# Altium PCB DD2090_4CAM_FFC.PcbDoc (part 2 of 4) (continued)
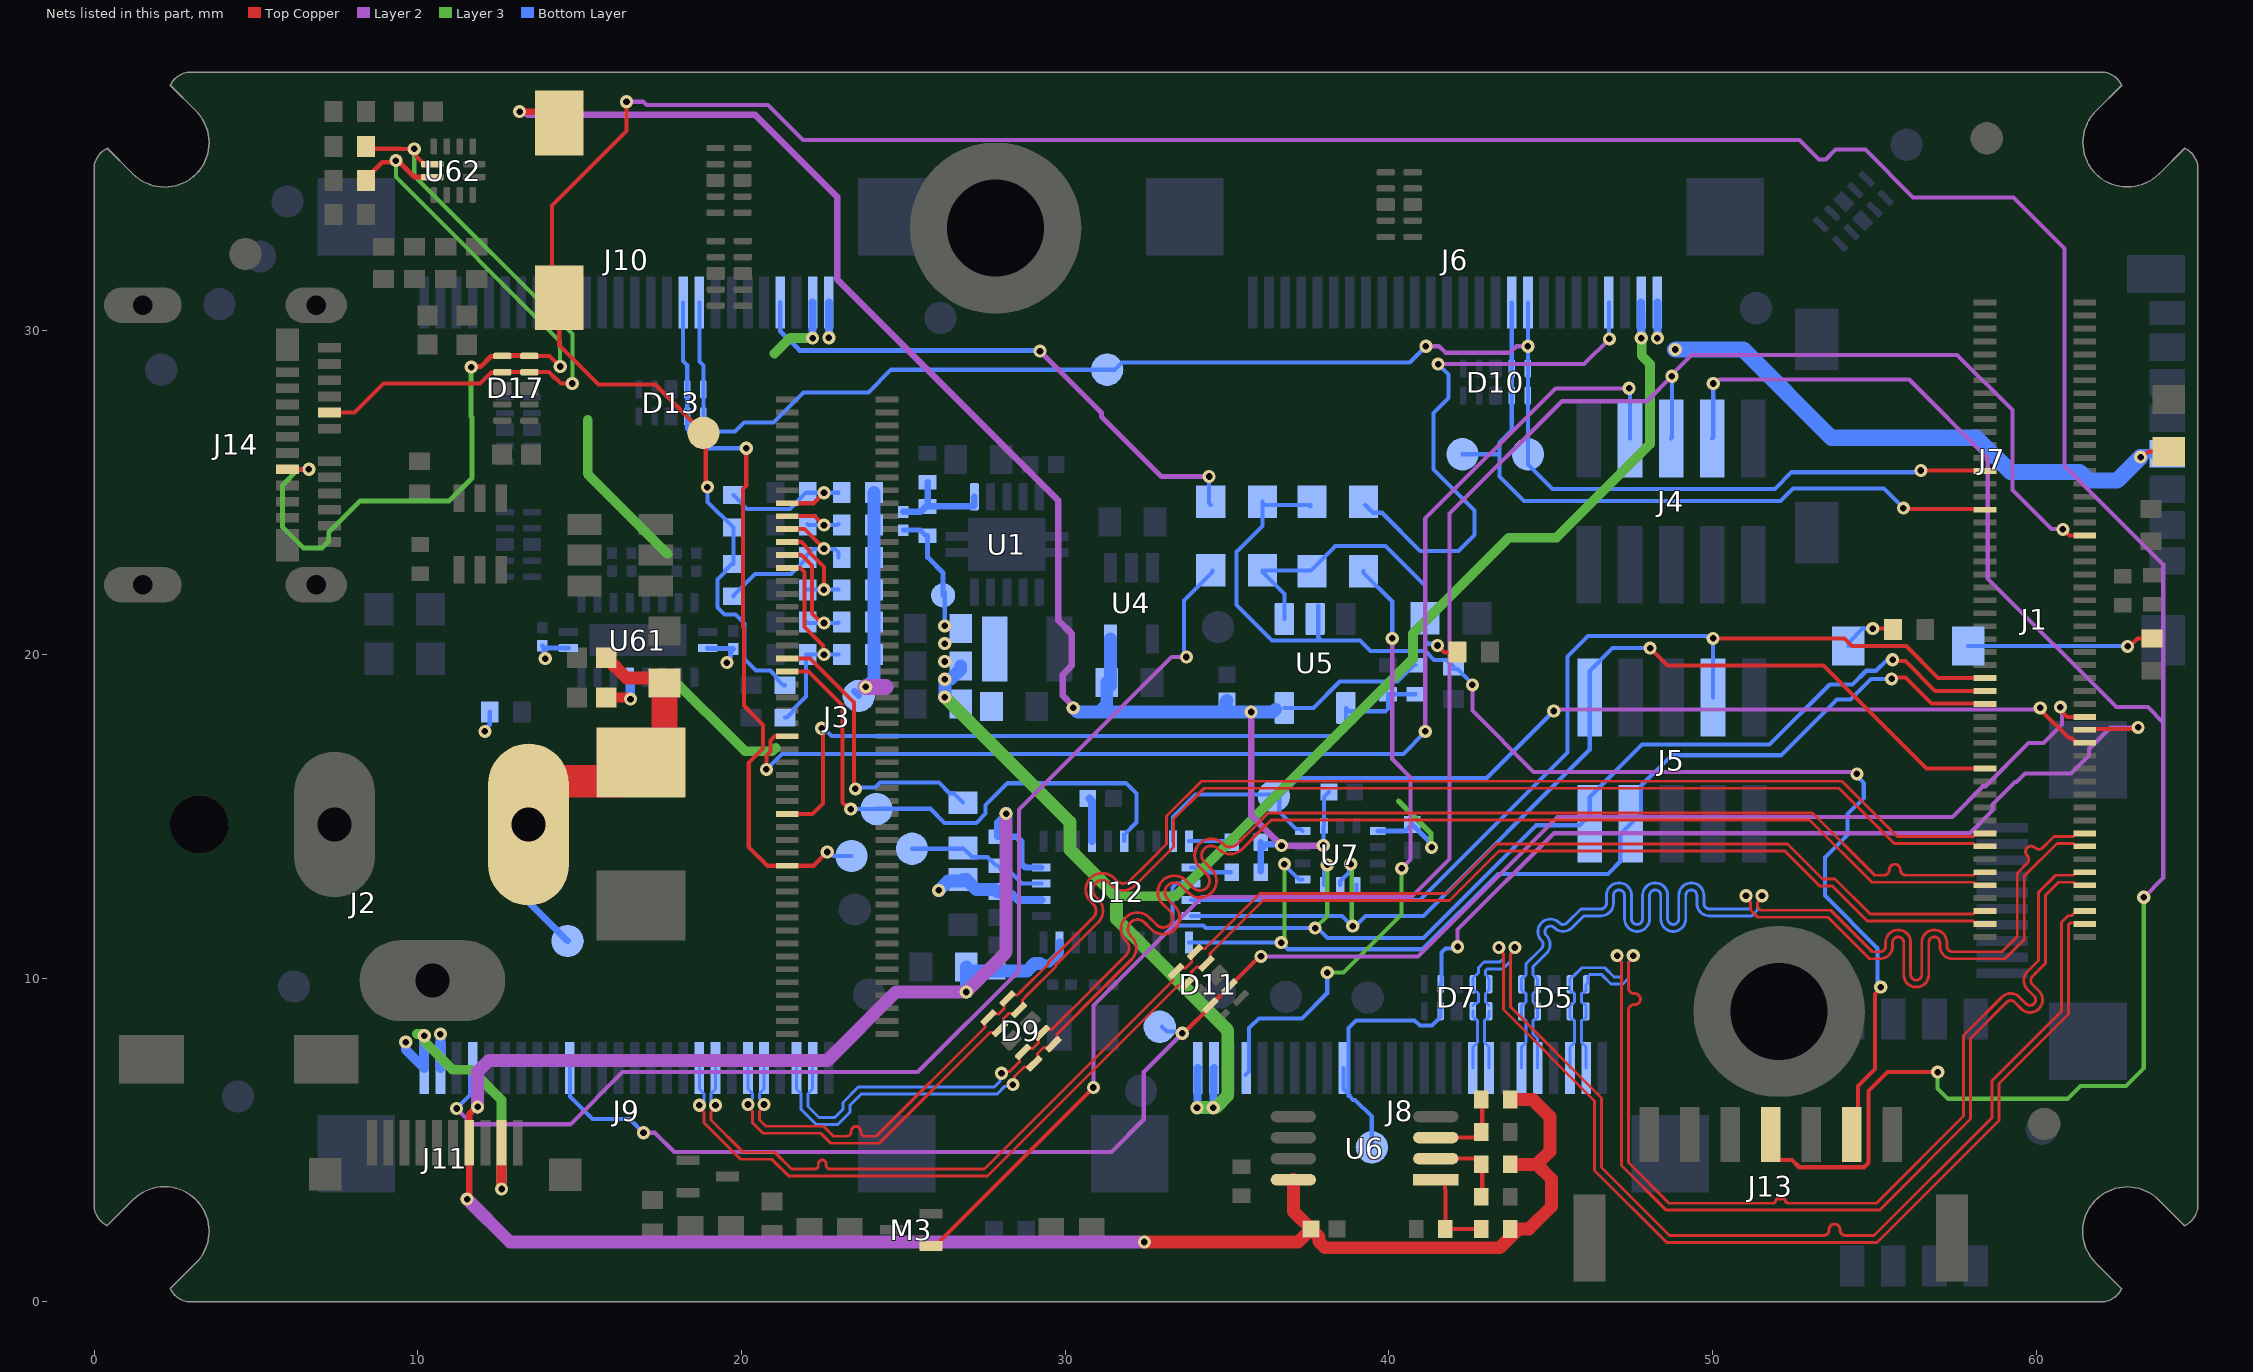
[diagram p6: the nets of this part, all layers, seen from the top]
## Part data (continued)
R30: library part RC0402FR-071KL, "RES SMD 1K OHM 1% 1/16W 0402", Case Code (Imperial)=0402, Case Code (Metric)=1005, Manufacturer 1=Yageo, Max Operating Temperature=155°C, Min Operating Temperature=-55°C, Power Rating=62.5mW, Resistance=1kR, Supplier Part Number 1=311-1.00KLRCT-ND, Temperature Coefficient=100ppm/°C, Tolerance=1%, Voltage Rating=50V, Case/Package=0402, ComponentLink1Description=https://datasheet.ciiva.com/11819/0900766b80c66297-11819477.pdf?src-supplier=RSComponents, ComponentLink1URL=https://datasheet.ciiva.com/11819/0900766b80c66297-11819477.pdf?src-supplier=RSComponents, ComponentLink2Description=https://datasheet.ciiva.com/12666/pyu-rc0402-51-rohs-l-6-r-12666741.pdf?src-supplier=Mouser, ComponentLink2URL=https://datasheet.ciiva.com/12666/pyu-rc0402-51-rohs-l-6-r-12666741.pdf?src-supplier=Mouser, ComponentLink3Description=https://datasheet.ciiva.com/17063/pyu-rc0402-51-rohs-l-6-r-17063193.pdf?src-supplier=Future+Electronics, ComponentLink3URL=https://datasheet.ciiva.com/17063/pyu-rc0402-51-rohs-l-6-r-17063193.pdf?src-supplier=Future+Electronics, ComponentLink4Description=https://datasheet.ciiva.com/22747/1018594-22747513.pdf?src-supplier=Element14, ComponentLink4URL=https://datasheet.ciiva.com/22747/1018594-22747513.pdf?src-supplier=Element14, ComponentLink5Description=https://datasheet.ciiva.com/7849/1018594-7849869.pdf?src-supplier=Element14, ComponentLink5URL=https://datasheet.ciiva.com/7849/1018594-7849869.pdf?src-supplier=Element14, ComponentLink6Description=https://datasheet.ciiva.com/7983/1018594-7983502.pdf?src-supplier=Element14, ComponentLink6URL=https://datasheet.ciiva.com/7983/1018594-7983502.pdf?src-supplier=Element14, ComponentLink7Description=https://datasheet.ciiva.com/7849/1018594-7849871.pdf?src-supplier=Element14, ComponentLink7URL=https://datasheet.ciiva.com/7849/1018594-7849871.pdf?src-supplier=Element14, Composition="Thick Film", Depth=0.5mm, Height=0.32mm, Lead Free="Lead Free", Length=1mm, Manufacturer Part Number 1=RC0402FR-071KL, Military Standard=Not, Number of Pins=2, Packaging="Tape and Reel", Pricing 1="1=0.10000, 10=0.01600, 100=0.00670, 1000=0.00301, 2500=0.00261, 5000=0.00215 (USD)", REACH SVHC=Unknown, RoHS=Yes, Stock 1=60695854, Supplier 1=Digi-Key, Termination=SMD/SMT, Voltage Rating (DC)=50V, Width=0.5mm
R31 R32 R183 R185 R186 R213 R214 RZ28 RZ29: library part RC0402FR-1310KL, "RES SMD 10K OHM 1% 0402 1/16W Chip Resistor, 0402 [1005 Metric], 10 kohm, RC Series, 50 V, Thick Film, 62.5 mW", Case/Package=0402, Case Code (Metric)=1005, Manufacturer 1=Yageo, Max Operating Temperature=155°C, Min Operating Temperature=-55°C, Power Rating=62.5mW, Resistance=10kR, Supplier Part Number 1=67R9960, Temperature Coefficient=100ppm/°C, Tolerance=1%, Voltage Rating=50V, Case Code (Imperial)=0402, ComponentLink1Description=https://datasheet.ciiva.com/16940/pyu-rc0402-51-rohs-l-6-16940293.pdf?src-supplier=Avnet+Europe, ComponentLink1URL=https://datasheet.ciiva.com/16940/pyu-rc0402-51-rohs-l-6-16940293.pdf?src-supplier=Avnet+Europe, ComponentLink2Description=https://datasheet.ciiva.com/28386/pyu-rc0402-51-rohs-l-6-28386855.pdf?src-supplier=Avnet+Europe, ComponentLink2URL=https://datasheet.ciiva.com/28386/pyu-rc0402-51-rohs-l-6-28386855.pdf?src-supplier=Avnet+Europe, ComponentLink3Description=https://datasheet.ciiva.com/16740/pyu-rc0402-51-rohs-l-6-r-16740602.pdf?src-supplier=Future+Electronics, ComponentLink3URL=https://datasheet.ciiva.com/16740/pyu-rc0402-51-rohs-l-6-r-16740602.pdf?src-supplier=Future+Electronics, ComponentLink4Description=https://datasheet.ciiva.com/8891/pyu-rc0402-51-rohs-l-6-8891339.pdf?src-supplier=Avnet, ComponentLink4URL=https://datasheet.ciiva.com/8891/pyu-rc0402-51-rohs-l-6-8891339.pdf?src-supplier=Avnet, ComponentLink5Description=https://datasheet.ciiva.com/5557/pyu-rc0402-51-rohs-l-6-r-5557997.pdf?src-supplier=Mouser, ComponentLink5URL=https://datasheet.ciiva.com/5557/pyu-rc0402-51-rohs-l-6-r-5557997.pdf?src-supplier=Mouser, ComponentLink6Description=https://datasheet.ciiva.com/7983/1018594-7983533.pdf?src-supplier=Element14, ComponentLink6URL=https://datasheet.ciiva.com/7983/1018594-7983533.pdf?src-supplier=Element14, Composition="Thick Film", Contact Plating=Tin,Matte,Lead, Depth=0.5mm, Lead Free="Lead Free", Length=1mm, Manufacturer Part Number 1=RC0402FR-1310KL, Military Standard=Not, Number of Pins=2, Number of Terminations=2, Packaging="Tape and Reel", Pricing 1="1=0.10000, 25=0.01200, 100=0.00400, 250=0.00400, 500=0.00300, 1000=0.00300 (USD)", Radiation Hardening=No, REACH SVHC="No SVHC", RoHS=Yes, Stock 1=62239, Supplier 1=Newark, Termination=SMD/SMT, Voltage Rating (DC)=50V, Working Voltage=50V
R42: library part RC0402FR-07100KL, "RES SMD 100K OHM 1% 1/16W 0402", Case Code (Imperial)=0402, Case Code (Metric)=1005, Manufacturer 1=Yageo, Max Operating Temperature=155°C, Max Power Dissipation=63mW, Min Operating Temperature=-55°C, Package Quantity=1, Resistance=100kR, Supplier Part Number 1=311-100KLRCT-ND, Temperature Coefficient=100ppm/°C, Tolerance=1%, Voltage Rating=50V, Case/Package=0402, ComponentLink1Description=https://datasheet.ciiva.com/11819/0900766b80c66297-11819452.pdf?src-supplier=RSComponents, ComponentLink1URL=https://datasheet.ciiva.com/11819/0900766b80c66297-11819452.pdf?src-supplier=RSComponents, ComponentLink2Description=https://datasheet.ciiva.com/2453/pyu-r-int-thick-7-2453361.pdf?src-supplier=Digi-Key, ComponentLink2URL=https://datasheet.ciiva.com/2453/pyu-r-int-thick-7-2453361.pdf?src-supplier=Digi-Key, ComponentLink3Description=https://datasheet.ciiva.com/2453/pyu-r-int-thick-7-2453362.pdf?src-supplier=Digi-Key, ComponentLink3URL=https://datasheet.ciiva.com/2453/pyu-r-int-thick-7-2453362.pdf?src-supplier=Digi-Key, ComponentLink4Description=https://datasheet.ciiva.com/2453/pyu-r-int-thick-7-2453363.pdf?src-supplier=Digi-Key, ComponentLink4URL=https://datasheet.ciiva.com/2453/pyu-r-int-thick-7-2453363.pdf?src-supplier=Digi-Key, ComponentLink5Description=https://datasheet.ciiva.com/22747/1018594-22747509.pdf?src-supplier=Element14, ComponentLink5URL=https://datasheet.ciiva.com/22747/1018594-22747509.pdf?src-supplier=Element14, ComponentLink6Description=https://datasheet.ciiva.com/15189/getdatasheetpartid-323696-15189334.pdf?src-supplier=Verical, ComponentLink6URL=https://datasheet.ciiva.com/15189/getdatasheetpartid-323696-15189334.pdf?src-supplier=Verical, ComponentLink7Description=https://datasheet.ciiva.com/12667/pyu-rc0402-51-rohs-l-6-r-12667930.pdf?src-supplier=Mouser, ComponentLink7URL=https://datasheet.ciiva.com/12667/pyu-rc0402-51-rohs-l-6-r-12667930.pdf?src-supplier=Mouser, Composition="Thick Film", Depth=0.5mm, Features="Moisture Resistant", Height=0.016inch, Lead Free="Lead Free", Length=0.039inch, Manufacturer Part Number 1=RC0402FR-07100KL, Military Standard=Not, Number of Terminations=2, Packaging="Tape and Reel", Power Rating=63mW, Pricing 1="1=0.10000, 10=0.01500, 100=0.00600, 1000=0.00270, 2500=0.00235, 5000=0.00194 (USD)", REACH SVHC="No SVHC", RoHS=Yes, Stock 1=50867324, Supplier 1=Digi-Key, Supplier 2=Newark, Supplier 3=Mouser, Supplier Part Number 2=67R9887, Supplier Part Number 3=603-RC0402FR-07100KL, Termination=SMD/SMT, Width=0.02inch, Working Voltage=50V
R187 R190: library part CRCW04021M80FKED, "RES SMD 1.8M OHM 1% 1/16W 0402", Case/Package=0402, Case Code (Metric)=1005, Manufacturer 1=Vishay, Max Operating Temperature=155°C, Min Operating Temperature=-55°C, Package Quantity=10000, Power Rating=63mW, Resistance=1.8MR, Supplier Part Number 1=541-1.80MLCT-ND, Temperature Coefficient=100ppm/°C, Tolerance=1%, Voltage Rating=50V, Case Code (Imperial)=0402, ComponentLink1Description=https://datasheet.ciiva.com/11812/0900766b80d98824-11812579.pdf?src-supplier=RSComponents, ComponentLink1URL=https://datasheet.ciiva.com/11812/0900766b80d98824-11812579.pdf?src-supplier=RSComponents, ComponentLink2Description=https://datasheet.ciiva.com/16886/dcrcwe3-16886536.pdf?src-supplier=Avnet+Europe, ComponentLink2URL=https://datasheet.ciiva.com/16886/dcrcwe3-16886536.pdf?src-supplier=Avnet+Europe, ComponentLink3Description=https://datasheet.ciiva.com/7800/1697337-7800987.pdf?src-supplier=Element14, ComponentLink3URL=https://datasheet.ciiva.com/7800/1697337-7800987.pdf?src-supplier=Element14, ComponentLink4Description=https://datasheet.ciiva.com/16786/70201119-16786875.pdf?src-supplier=Allied+Electronics, ComponentLink4URL=https://datasheet.ciiva.com/16786/70201119-16786875.pdf?src-supplier=Allied+Electronics, ComponentLink5Description=https://datasheet.ciiva.com/22676/1700796-22676027.pdf?src-supplier=Element14, ComponentLink5URL=https://datasheet.ciiva.com/22676/1700796-22676027.pdf?src-supplier=Element14, ComponentLink6Description=https://datasheet.ciiva.com/7800/1697337-7800988.pdf?src-supplier=Element14, ComponentLink6URL=https://datasheet.ciiva.com/7800/1697337-7800988.pdf?src-supplier=Element14, ComponentLink7Description=https://datasheet.ciiva.com/26316/fld-crcw-e3-data-en-26316605.pdf?src-supplier=Distrelec, ComponentLink7URL=https://datasheet.ciiva.com/26316/fld-crcw-e3-data-en-26316605.pdf?src-supplier=Distrelec, ComponentLink8Description=https://datasheet.ciiva.com/8336/dcrcwe3-8336646.pdf?src-supplier=Avnet, ComponentLink8URL=https://datasheet.ciiva.com/8336/dcrcwe3-8336646.pdf?src-supplier=Avnet, Composition="Thick Film", Contact Plating=Tin, Depth=0.5mm, Height=0.35mm, Lead Free="Lead Free", Length=1mm, Manufacturer Part Number 1=CRCW04021M80FKED, Military Standard=Not, Mount="Surface Mount", Number of Pins=2, Packaging="Tape and Reel", Pricing 1="1=0.10000, 10=0.03800, 100=0.01540, 1000=0.00690, 2500=0.00599, 5000=0.00495 (USD)", Radiation Hardening=No, REACH SVHC=Unknown, RoHS=Yes, Stock 1=26061, Supplier 1=Digi-Key, Termination=SMD/SMT, Voltage Rating (DC)=50V, Weight=2.3E-05oz, Width=0.5mm
SW1: library part CMP-011-00015-1, "Slide Dip Switch, 4 Switches, SPST, Latched, 0.025A, 24VDC, 0 PCB Hole Cnt, Solder Terminal, Surface Mount-straight", Current Rating=25mA, Manufacturer 1="Wurth Elektronik", Max Operating Temperature=85°C, Min Operating Temperature=-40°C, Voltage Rating=24V, Manufacturer Part Number 1=416131160804, Max Current Rating=25mA, Mounting Technology=SMD, Pins=8, RoHS Compliant=Yes
TP1 TP2 TP3 TP4 TP5 TP6 TP7 TP8 TP9 TP11 TP13 TP14 TP15 TP16 TP17 TP18 TP19 TP20 TP21 TP22 TP23 TP25 TP26 TP40 TP41 TP42 TP43 TP44: library part TEST_POINT
  TP18: REACH SVHC="No SVHC", RoHS=Yes
U1: "Switching Regulator, Voltage-mode, 3A, 1000kHz Switching Freq-Max, PDSO10", Manufacturer 1="Texas Instruments", Manufacturer Part Number 1=TPS51313DRCT, Supplier Part Number 1=296-39625-1-ND, Category="Voltage Regulators - Switching", ComponentLink1Description=https://www.ti.com:443/lit/ds/symlink/tps51313.pdf?src-supplier=IHS+Markit, ComponentLink1URL=https://www.ti.com:443/lit/ds/symlink/tps51313.pdf?src-supplier=IHS+Markit, ComponentLink2Description=https://datasheet.ciiva.com/6606/tps51313-6606037.pdf?src-supplier=Digi-Key, ComponentLink2URL=https://datasheet.ciiva.com/6606/tps51313-6606037.pdf?src-supplier=Digi-Key, ComponentLink3Description=https://datasheet.ciiva.com/12221/slusb31-213375-12221240.pdf?src-supplier=Mouser, ComponentLink3URL=https://datasheet.ciiva.com/12221/slusb31-213375-12221240.pdf?src-supplier=Mouser, Pricing 1="1=4,35000, 10=3,90500, 25=3,69200, 100=3,19970 (USD)", RoHS=Yes, Stock 1=10, Supplier 1=Digi-Key
U2: library part CMP-099-000001-1, "IC OR CTRLR IDEAL DIODE SC70-6", Manufacturer 1="Texas Instruments", Category="Integrated Circuits (ICs)", Design Item ID=LM66100DCKR, Manufacturer Part Number 1=LM66100DCKR, Pricing 1="1=0.41000, 10=0.32900, 25=0.30120, 100=0.20300, 250=0.16800, 500=0.15400, 1000=0.11550 (USD)", RoHS=No, Source=NG2391C-HM.SchLib, Stock 1=8042
U4: "IC REG LINEAR 1.8V 200MA SC70-5 Linear Voltage Regulator IC  1 Output  200mA SC-70-5", Case/Package=SC, Dropout Voltage=175mV, Manufacturer 1="Texas Instruments", Manufacturer Part Number 1=TLV70018DCKR, Manufacturer Part Number 2=TLV70018DCKT, Max Input Voltage=5.5V, Max Operating Temperature=125°C, Max Output Current=200mA, Max Output Voltage=1.8V, Max Power Dissipation=320mW, Min Current Limit=220mA, Min Input Voltage=2V, Min Operating Temperature=-40°C, Nominal Supply Current=31uA, Output Voltage Accuracy=2%, Package Quantity=1, Quiescent Current=30uA, Supplier Part Number 1=296-32409-1-ND, Accuracy=2%, ComponentLink1Description=https://datasheet.ciiva.com/41462/001014631-da-01-en-ic-reg-ldo-1-8v-0-tlv70018dckr-sot-5-tid-41462480.pdf?src-supplier=Conrad, ComponentLink1URL=https://datasheet.ciiva.com/41462/001014631-da-01-en-ic-reg-ldo-1-8v-0-tlv70018dckr-sot-5-tid-41462480.pdf?src-supplier=Conrad, ComponentLink2Description=https://datasheet.ciiva.com/22700/1882059-22700171.pdf?src-supplier=Element14, ComponentLink2URL=https://datasheet.ciiva.com/22700/1882059-22700171.pdf?src-supplier=Element14, ComponentLink3Description=https://datasheet.ciiva.com/14149/tlv700-eng-ds-14149837.pdf?src-supplier=Distrelec, ComponentLink3URL=https://datasheet.ciiva.com/14149/tlv700-eng-ds-14149837.pdf?src-supplier=Distrelec, ComponentLink4Description=https://datasheet.ciiva.com/7992/1882059-7992894.pdf?src-supplier=Element14, ComponentLink4URL=https://datasheet.ciiva.com/7992/1882059-7992894.pdf?src-supplier=Element14, Contact Plating=Gold, Height=1mm, Lead Free="Lead Free", Length=2.15mm, Manufacturer 2="Texas Instruments", Min Output Voltage=1.8V, Nominal Output Voltage=1.8V, Number of Outputs=1, Number of Pins=5, Number of Regulators=1, Output Current=200mA, Output Type=Fixed, Output Voltage=1.8V, Packaging="Tape and Reel", Polarity=Positive, Power Dissipation=320mW, Power Rating=320mW, Pricing 1="1=0.48000, 10=0.40900, 100=0.30570, 500=0.24020, 1000=0.18561 (USD)", Pricing 2="1=0.55000, 10=0.46700, 100=0.34900 (USD)", Radiation Hardening=No, REACH SVHC="No SVHC", RoHS=Yes, Stock 1=63905, Stock 2=13188, Supplier 1=Digi-Key, Supplier 2=Digi-Key, Supplier Part Number 2=296-25269-1-ND, Width=1.4mm
U5: "ANALOGUE SWITCH, SINGLE, SPST-NO, SOT-23; Analog Switch Type:SPST - NO; No. of Channels:1; On State Resistance Max:60ohm; Supply Voltage Range:1.65V to 5.5V; Analog Switch Case:SOT-23; No. of Pins:5; Operating Temperature Min:-40 C ;RoHS Compliant: Yes", Case/Package=SOT-23-5, High Level Output Current=128mA, Manufacturer 1="ON Semiconductor / Fairchild", Max Operating Temperature=85°C, Max Power Dissipation=200mW, Max Supply Current=10uA, Max Supply Voltage=5.5V, Min Operating Temperature=-40°C, Min Supply Voltage=1.65V, On-State Resistance=5R, Package Quantity=1, Quiescent Current=50nA, Voltage=5V, Category="Decoders and Multiplexers", ComponentLink1Description=https://datasheet.ciiva.com/4917/nc7sz66-98769-4917648.pdf?src-supplier=Mouser, ComponentLink1URL=https://datasheet.ciiva.com/4917/nc7sz66-98769-4917648.pdf?src-supplier=Mouser, ComponentLink2Description=https://datasheet.ciiva.com/15127/getdatasheetpartid-142529-15127273.pdf?src-supplier=Verical, ComponentLink2URL=https://datasheet.ciiva.com/15127/getdatasheetpartid-142529-15127273.pdf?src-supplier=Verical, ComponentLink3Description=https://datasheet.ciiva.com/34301/1021815-34301882.pdf?src-supplier=Jameco, ComponentLink3URL=https://datasheet.ciiva.com/34301/1021815-34301882.pdf?src-supplier=Jameco, ComponentLink4Description=https://datasheet.ciiva.com/1514/1751945-1514528.pdf?src-supplier=Element14, ComponentLink4URL=https://datasheet.ciiva.com/1514/1751945-1514528.pdf?src-supplier=Element14, ComponentLink5Description=https://datasheet.ciiva.com/2980/nc7sz66-2980326.pdf?src-supplier=Avnet, ComponentLink5URL=https://datasheet.ciiva.com/2980/nc7sz66-2980326.pdf?src-supplier=Avnet, ComponentLink6Description=https://datasheet.ciiva.com/26240/nc7sz66-26240518.pdf?src-supplier=Avnet+Europe, ComponentLink6URL=https://datasheet.ciiva.com/26240/nc7sz66-26240518.pdf?src-supplier=Avnet+Europe, ComponentLink7Description=https://datasheet.ciiva.com/1888/nc7sz66-1888140.pdf?src-supplier=Digi-Key, ComponentLink7URL=https://datasheet.ciiva.com/1888/nc7sz66-1888140.pdf?src-supplier=Digi-Key, ComponentLink8Description=https://datasheet.ciiva.com/1888/nc7sz66-1888141.pdf?src-supplier=Digi-Key, ComponentLink8URL=https://datasheet.ciiva.com/1888/nc7sz66-1888141.pdf?src-supplier=Digi-Key, ComponentLink9Description=https://datasheet.ciiva.com/1888/nc7sz66-1888142.pdf?src-supplier=Digi-Key, ComponentLink9URL=https://datasheet.ciiva.com/1888/nc7sz66-1888142.pdf?src-supplier=Digi-Key, Contact Plating=Tin,Matte, Height=1.3mm, Independent Circuits=1, Lead Free="Lead Free", Length=3mm, Manufacturer Part Number 1=NC7SZ66M5X, Mount="Surface Mount", Number of Bits=1, Number of Channels=1, Number of Circuits=1, Number of Inputs=1, Number of Outputs=1, Number of Pins=5, Packaging="Tape and Reel", Polarity=Non-Inverting, Power Dissipation=200mW, Pricing 1="1=0.39000, 10=0.32000, 25=0.29280, 100=0.21780, 250=0.19736, 500=0.16332, 1000=0.12249 (USD)", Radiation Hardening=No, REACH SVHC="No SVHC", RoHS=Yes, RoHS Compliant=Yes, Stock 1=12120, Supplier 1=Digi-Key, Supply Type=Single, Throw Configuration=SPST, Turn-Off Delay Time=9.2ns, Turn-On Delay Time=7ns, Weight=0.001058oz, Width=1.7mm
U6: library part 24AA32A-I/MS, "IC EEPROM 32K I2C 400KHZ 8MSOP Memory IC 32Kb (4K x 8) I²C 400kHz 900ns 8-MSOP", Case/Package=MSOP, Frequency=400kHz, Manufacturer 1=Microchip, Max Operating Temperature=85°C, Max Supply Voltage=5.5V, Min Operating Temperature=-40°C, Min Supply Voltage=1.7V, Nominal Supply Current=3mA, Package Quantity=100, Supplier Part Number 1=24AA32A-I/MS-ND, Access Time=3500ns, ComponentLink1Description=https://datasheet.ciiva.com/16309/filehandler-aspxddocname-en011853-16309808.pdf?src-supplier=Future+Electronics, ComponentLink1URL=https://datasheet.ciiva.com/16309/filehandler-aspxddocname-en011853-16309808.pdf?src-supplier=Future+Electronics, ComponentLink2Description=https://datasheet.ciiva.com/16621/21713l-16621382.pdf?src-supplier=Avnet+Europe, ComponentLink2URL=https://datasheet.ciiva.com/16621/21713l-16621382.pdf?src-supplier=Avnet+Europe, ComponentLink3Description=https://datasheet.ciiva.com/3185/21713l-3185209.pdf?src-supplier=Avnet, ComponentLink3URL=https://datasheet.ciiva.com/3185/21713l-3185209.pdf?src-supplier=Avnet, ComponentLink4Description=https://datasheet.ciiva.com/1154/1688094-1154810.pdf?src-supplier=Element14, ComponentLink4URL=https://datasheet.ciiva.com/1154/1688094-1154810.pdf?src-supplier=Element14, ComponentLink5Description=https://datasheet.ciiva.com/41454/001085239-da-01-en-ic-eeprom-32kbit-24aa32a-i-ms-msop-8-mcp-41454934.pdf?src-supplier=Conrad, ComponentLink5URL=https://datasheet.ciiva.com/41454/001085239-da-01-en-ic-eeprom-32kbit-24aa32a-i-ms-msop-8-mcp-41454934.pdf?src-supplier=Conrad, Contact Plating=Tin,Matte, Density=32Kb, Height=0.85mm, Interface=I2C,Serial,2-Wire, Lead Free="Lead Free", Length=3mm, Manufacturer Part Number 1=24AA32A-I/MS, Max Frequency=400kHz, Memory Size=32Kb, Memory Type=EEPROM, Mount="Surface Mount", Number of Pins=8, Packaging=Rail/Tube, Pricing 1="1=0.39000, 25=0.38120, 100=0.36050 (USD)", Radiation Hardening=No, REACH SVHC="No SVHC", RoHS=Yes, Stock 1=4213, Supplier 1=Digi-Key, Supplier 2=Mouser, Supplier 3=Newark, Supplier Part Number 2=579-24AA32A-I/MS, Supplier Part Number 3=38AH9658, Width=3mm
U7: "Accelerometer, Gyroscope, 6 Axis Sensor IÂ²C, SPI Output", Manufacturer 1="Bosch Sensortec", Package="LGA-14 Bosch Sensortec", Availability=Unavailable, Manufacturer Part Number 1=BMI270, Price=None, SnapEDA_Link=https://www.snapeda.com/parts/BMI270/Bosch%20Sensortec/view-part/3595167/?ref=snap
U12: "IMU ACCEL/GYRO/MAG I2C 32BIT", Case/Package=LGA, Manufacturer 1="Hillcrest Laboratories", Max Operating Temperature=85°C, Min Operating Temperature=-40°C, Supplier Part Number 1=1888-1006-1-ND, Category="Inertial Measurement Units (IMUs)", ComponentLink1Description=https://www.hillcrestlabs.com/downloads/bno080-datasheet?src-supplier=Digi-Key, ComponentLink1URL=https://www.hillcrestlabs.com/downloads/bno080-datasheet?src-supplier=Digi-Key, ComponentLink2Description=https://www.hillcrestlabs.com/downloads/bno080-migration-guide?src-supplier=Digi-Key, ComponentLink2URL=https://www.hillcrestlabs.com/downloads/bno080-migration-guide?src-supplier=Digi-Key, Manufacturer Part Number 1=BNO085, Mount="Surface Mount", Output Type=SPI,I2C, Packaging="Tape and Reel", Pricing 1="1=11.85000, 5=10.31200, 10=9.28100, 25=8.25000, 50=7.63120, 100=6.60000, 500=6.18750, 1000=5.77500 (USD)", RoHS=No, Sensor Type=Accelerometer,Gyroscope,Magnetometer, Stock 1=11593, Supplier 1=Digi-Key
U61: library part CBTL02043A, "Multiplexer And Demux/Decoder, CBT/FST/QS/5C/B Series, 1-Func, 2 Line Input, 1 Line Output, True Output, PQCC20", Manufacturer 1="NXP Semiconductors", Manufacturer Part Number 1=CBTL02043ABQ,115, Supplier Part Number 1=568-6678-1-ND, Category="Interface ICs", ComponentLink1Description=https://datasheet.ciiva.com:443/pdfs/VipMasterIC/IC/PHGL/PHGL-S-A0000727649/PHGL-S-A0000727649-1.pdf?src-supplier=IHS+Markit, ComponentLink1URL=https://datasheet.ciiva.com:443/pdfs/VipMasterIC/IC/PHGL/PHGL-S-A0000727649/PHGL-S-A0000727649-1.pdf?src-supplier=IHS+Markit, ComponentLink2Description=https://datasheet.ciiva.com/4921/cbtl02043a-cbtl02043b-87520-4921245.pdf?src-supplier=Mouser, ComponentLink2URL=https://datasheet.ciiva.com/4921/cbtl02043a-cbtl02043b-87520-4921245.pdf?src-supplier=Mouser, ComponentLink3Description=https://datasheet.ciiva.com/6637/cbtl02043a-cbtl02043b-6637066.pdf?src-supplier=Digi-Key, ComponentLink3URL=https://datasheet.ciiva.com/6637/cbtl02043a-cbtl02043b-6637066.pdf?src-supplier=Digi-Key, Pricing 1="1=1,77000, 10=1,63000 (USD)", RoHS=Yes, Stock 1=19938, Supplier 1=Digi-Key
U62: library part TUSB321RWBR, "IC USB PORT CONTROL TYPE-C 12X2Q", Manufacturer 1="Texas Instruments", Max Operating Temperature=70°C, Max Supply Voltage=5.5V, Min Operating Temperature=0°C, Min Supply Voltage=4.5V, Supplier Part Number 1=296-42400-1-ND, ComponentLink1Description=http://www.ti.com/general/docs/lit/getliterature.tsp?genericPartNumber=TUSB321&&fileType=pdf&src-supplier=Avnet+Asia, ComponentLink1URL=http://www.ti.com/general/docs/lit/getliterature.tsp?genericPartNumber=TUSB321&&fileType=pdf&src-supplier=Avnet+Asia, ComponentLink2Description=http://www.ti.com/general/docs/lit/getliterature.tsp?genericPartNumber=TUSB321&&fileType=pdf&src-supplier=Farnell, ComponentLink2URL=http://www.ti.com/general/docs/lit/getliterature.tsp?genericPartNumber=TUSB321&&fileType=pdf&src-supplier=Farnell, ComponentLink3Description=http://www.ti.com/lit/ds/symlink/tusb321.pdf?src-supplier=Digi-Key, ComponentLink3URL=http://www.ti.com/lit/ds/symlink/tusb321.pdf?src-supplier=Digi-Key, ComponentLink4Description=http://www.ti.com/general/docs/lit/getliterature.tsp?genericPartNumber=TUSB321&&fileType=pdf&src-supplier=Element14, ComponentLink4URL=http://www.ti.com/general/docs/lit/getliterature.tsp?genericPartNumber=TUSB321&&fileType=pdf&src-supplier=Element14, ComponentLink5Description=http://www.ti.com/general/docs/lit/getliterature.tsp?genericPartNumber=TUSB321&&fileType=pdf&src-supplier=Avnet, ComponentLink5URL=http://www.ti.com/general/docs/lit/getliterature.tsp?genericPartNumber=TUSB321&&fileType=pdf&src-supplier=Avnet, Contact Plating=Gold, Lead Free="Lead Free", Manufacturer Part Number 1=TUSB321RWBR, Mount="Surface Mount", Number of Pins=12, Number of Ports=1, Packaging="Tape and Reel", Pricing 1="1=2.27000, 10=2.04200, 100=1.64100, 500=1.34828, 1000=1.11714 (USD)", REACH SVHC="No SVHC", RoHS=Yes, Stock 1=7746, Supplier 1=Digi-Key, USB Standard="USB 3.1"
Y1: "CRYSTAL 32.768kHz ±20ppm Crystal 12.5pF 90 kOhms 2-SMD, No Lead", Case/Package=SMD/SMT, ESR (Equivalent Series Resistance)=90kR, Frequency=32.768kHz, Frequency Tolerance=20ppm, Load Capacitance=12.5pF, Manufacturer 1=Abracon, Max Operating Temperature=85°C, Min Operating Temperature=-40°C, Supplier Part Number 1=535-14513-1-ND, ComponentLink1Description=http://www.farnell.com/datasheets/2614114.pdf?src-supplier=Farnell, ComponentLink1URL=http://www.farnell.com/datasheets/2614114.pdf?src-supplier=Farnell, ComponentLink2Description=https://abracon.com/datasheets/ABS06-127-32.768kHz-T.pdf?src-supplier=Digi-Key, ComponentLink2URL=https://abracon.com/datasheets/ABS06-127-32.768kHz-T.pdf?src-supplier=Digi-Key, ComponentLink3Description=http://www.farnell.com/datasheets/2614114.pdf?src-supplier=Newark, ComponentLink3URL=http://www.farnell.com/datasheets/2614114.pdf?src-supplier=Newark, Manufacturer Part Number 1=ABS06-127-32.768KHZ-T, Mount="Surface Mount", Packaging="Tape and Reel", Pricing 1="1=0.69000, 10=0.60700, 50=0.56760, 100=0.50160, 500=0.47520, 1000=0.39600 (USD)", RoHS=Yes, Stock 1=1640, Supplier 1=Digi-Key, Supplier 2=Digi-Key, Supplier 3=Mouser, Supplier 4=Verical, Supplier Part Number 2=535-14513-6-ND, Supplier Part Number 3=815-ABS0612732.768KT, Supplier Part Number 4=ABS06-127-32.768KHZ-T

## Via types
v1: diameter 0.406, hole 0.203, Top Copper to Bottom Layer, tented both sides, 584 vias

## Nets (pads, with @x,y where several pads share a name; then routed paths per layer and width w, separated by ;. In a path a pad name is that pad's centre, name@x,y a point inside that pad or via, vN(x,y) a via of type N, cw(c..) or ccw(c..) an arc to the next point about the centre after c; other vN are vias at no path point)
1V8: B1.1 C7.2 C9.2 C10.2 C19.2 C43.2 C44.2 J11.7 R1.1 R2.2 R5.1 R9.2 R16.2 R24.2 R33.2 R34.2 R35.2 R37.2 R44.2 R60.2 R61.2 TP8.1 U4.5 U5.5 U6.8 U7.5 U12.5 U12.28 | length 136.4
  Top Copper w0.2: v1(11.525,3.175) 11.525,3.231 11.589,3.295 J11.7@11.589,4.92 11.589,5.805 11.81,6.025 v1(11.85,6.025) ; v1(13.148,36.775) 14.023,36.775 B1.1@14.373,36.425
  Top Copper w0.4: v1(32.45,1.85) 37.2,1.85 C10.2@37.6,2.25 ; U6.8@37.05,3.775 37.05,2.8 C10.2@37.6,2.25 ; R34.2@43.95,4.25 44.575,4.25 ; R37.2@43.95,6.25 44.45,6.25 44.975,5.725 44.975,4.65 44.575,4.25 ; C10.2@37.6,2.25 37.838,2.012 37.838,1.865 38.03,1.673 43.423,1.673 43.95,2.2 43.95,2.25 44.325,2.25 45.025,2.95 45.025,3.8 44.575,4.25
  Layer 2 w0.2: v1(13.148,36.775) 13.187,36.736 13.333,36.736 13.396,36.672 20.425,36.672 22.953,34.145 22.953,31.595 29.789,24.759 29.789,21.059 30.198,20.65 30.198,19.653 29.923,19.378 29.923,18.733 30.25,18.406 v1(30.25,18.35) ; v1(35.748,18.225) 35.748,15.036 36.239,14.544 v1(36.685,14.099) ; v1@36.685,14.099 v1(37.975,14.1)
  Layer 2 w0.4: v1(11.525,3.175) 12.85,1.85 v1(32.45,1.85) ; v1(11.85,6.025) 11.85,7.116 12.199,7.465 22.663,7.465 24.777,9.58 26.659,9.58 26.663,9.576 v1@26.945,9.576 ; v1@26.946,9.575 26.946,9.573 v1(26.948,9.575) 28.178,10.806 v1@28.178,15.088
  Layer 2 w0.5: v1(23.84,19.002) 24.448,19.002
  Bottom Layer w0.127: U5.5@36.773,18.35 37.669,18.35 38.484,19.165 40.265,19.165 40.775,19.675 R44.2@40.825,19.675 ; v1(37.975,14.1) 37.987,14.112 37.987,14.7 U7.5@38,14.713 38,15.6 C19.2@38.15,15.75
  Bottom Layer w0.2: TP8.1@23.491,18.859 TP8.1@23.625,18.725 ; v1(28.178,15.087) 28.178,15.081 27.91,14.813 R35.2@27.91,14.377 28.496,14.377 28.648,14.225 28.648,13.55 28.776,13.421 U12.5@29.266,13.421 ; R1.1@36.05,13.302 R5.1@36.05,14.2 ; R5.1@36.123,14.041 36.22,14.138 36.645,14.138 v1(36.685,14.099) v1@36.724,14.059
  Bottom Layer w0.25: 29.223,10.45 29.511,10.45 29.828,10.767 U12.28@29.828,11.109
  Bottom Layer w0.4: v1(23.84,19.002) 23.841,19.003 23.864,19.003 24.1,19.239 R2.2@24.1,20 R16.2@24.1,21 R61.2@24.1,22 R60.2@24.1,23 R24.2@24.1,24 R9.2@24.1,25 ; v1(26.948,9.575) C43.2@26.948,10.35 27.073,10.225 28.823,10.225 29.048,10.45 29.223,10.45 ; v1(30.25,18.35) v1(30.25,18.35) 30.377,18.225 31.052,18.225 ; C7.2@31.287,19.136 31.287,18.459 31.052,18.225 ; C7.2@31.399,19.036 U4.5@31.399,20.483 ; C9.2@34.998,18.575 34.973,18.55 34.973,18.225 ; U5.5@36.498,18.3 36.423,18.225 v1(35.748,18.225) 34.973,18.225 ; 31.052,18.225 34.973,18.225
3V3: C11.2 C12.2 C13.1 C14.1 C15.1 C16.1 C17.2 C18.2 C42.2 C45.2 C55.2 C74.2 J6.25 J6.26 J7.4 J8.25 J8.26 J9.25 J9.26 J10.25 J10.26 J11.9 L1.2 R8.2 R186.2 TP18.1 U7.8 U12.3 U61.1 U61.6 U61.10 | length 107.4
  Top Copper w0.127: v1(63.225,26.1) 63.301,26.1 63.476,26.275 C55.2@64.1,26.275
  Top Copper w0.3: v1(12.589,3.489) J11.9@12.589,4.92 ; C74.2@15.823,18.675 16.494,18.675 16.544,18.625 v1(16.573,18.625)
  Layer 3 w0.15: 40.3,15.475 41.303,14.472 41.303,14.063 v1(41.322,14.044)
  Layer 3 w0.3: 9.975,8.275 10.121,8.275 10.171,8.225 v1(10.2,8.225) 10.22,8.205 10.22,8.03 11.075,7.175 11.65,7.175 12.589,6.236 v1(12.589,3.489) ; 15.248,27.248 15.248,25.586 17.722,23.111 ; 17.722,19.405 20.112,17.015 20.955,17.015 21.059,17.12 ; 21.023,29.3 21.498,29.775 21.504,29.782 21.991,29.782 v1@21.998,29.788 ; v1@21.998,29.775 v1@22.157,29.775 ; 31.586,12.536 33.411,12.536 40.75,19.875 40.75,20.65 43.709,23.609 45.182,23.609 48.073,26.5 48.073,28.975 47.818,29.23 47.818,29.758 v1(47.799,29.777)
  Layer 3 w0.4: v1(26.281,18.686) 26.282,18.685 26.29,18.685 30.148,14.827 30.148,13.975 31.586,12.536 31.586,11.828 35.025,8.389 35.025,6.375 34.65,6 v1(34.075,6) ; v1@34.175,6 v1(34.575,6)
  Bottom Layer w0.15: v1(12.075,17.625) 12.075,17.681 12.225,17.831 R186.2@12.225,18.225 ; C12.2@13.85,20.27 C12.2@13.895,20.225 ; v1(13.94,19.877) 13.895,19.922 C12.2@13.895,20.225 ; U61.10@14.653,20.199 13.92,20.2 C12.2@13.895,20.225 ; U61.1@18.953,20.199 18.968,20.185 19.735,20.185 C11.2@19.75,20.17 19.665,20.085 19.665,19.934 19.55,19.819 v1(19.55,19.75) ; C17.2@25,23.845 25.53,23.845 25.7,23.675 R8.2@25.75,23.675 25.75,23 26.23,22.52 TP18.1@26.23,21.827 ; v1(26.281,20.886) TP18.1@26.281,21.929 ; U7.8@39.662,14.55 40.525,14.55 C18.2@40.725,14.75 41.273,14.202 41.273,14.093 v1(41.322,14.044)
  Bottom Layer w0.25: v1(22.2,29.775) J10.25@22.2,30.875 ; v1(22.7,29.788) J10.26@22.7,30.875 ; C45.2@27.898,12.675 27.979,12.594 28.367,12.594 28.54,12.421 U12.3@29.266,12.421 ; v1(34.075,6) 34.087,6.012 34.087,7.214 J8.26@34.098,7.225 ; v1(34.575,6) 34.587,6.012 34.587,7.214 J8.25@34.598,7.225 ; J6.25@47.798,30.875 47.799,30.2 v1(47.799,29.777) ; v1(48.298,29.775) J6.26@48.298,30.875
  Bottom Layer w0.3: v1(9.627,8.025) 9.627,7.798 J9.26@10.2,7.225 10.2,7.571 10.195,7.576 10.195,8.22 v1(10.2,8.225) ; J9.25@10.7,7.225 v1@10.7,8.275 ; U61.6@16.553,19.299 16.563,19.29 16.563,18.635 v1(16.573,18.625) ; v1(63.225,26.1) 63.325,26.2 J7.4@64.05,26.2
  Bottom Layer w0.4: v1(26.098,12.713) 26.385,13 26.798,13 C42.2@26.848,13.05 26.948,13.05 27.263,12.735 27.838,12.735 C45.2@27.898,12.675 ; v1(26.281,18.686) 26.282,18.688 26.282,19.235 v1(26.281,19.236) ; C15.1@26.461,19.236 26.775,19.55 C15.1@26.775,19.65
  Bottom Layer w0.5: v1(48.85,29.425) 50.95,29.425 53.675,26.7 58.15,26.7 59.21,25.64 61.344,25.64 61.607,25.377 62.502,25.377 v1(63.225,26.1)
  other v1: 10.7,8.275 26.281,19.786 26.281,20.336
5V_IN: C5.2 D3.1 J2.1 R6.1 TP7.1 | length 11.1
  Top Copper w0.2: C5.2@15.823,19.901 C5.2@15.824,19.9
  Top Copper w0.4: C5.2@15.823,19.901 16.449,19.275 R6.1@17.573,19.275
  Top Copper w0.8: D3.1@16.898,16.67 16.946,16.67 17.625,17.35 R6.1@17.625,19.125
  Top Copper w1: J2.1@13.425,14.75 13.425,15.398 14.118,16.091 16.318,16.091 D3.1@16.898,16.67
  Bottom Layer w0.2: J2.1@13.423,12.357 TP7.1@14.629,11.151
2485_PGOOD: J1.37 J4.5 M3.1 | length 60.6
  Top Copper w0.127: M3.1@25.858,1.725 26.063,1.725 26.149,1.812 26.149,1.899 v1(30.875,6.625) ; v1(60.825,23.867) 60.844,23.867 61.036,23.675 J1.37@61.5,23.675
  Layer 2 w0.127: v1(30.875,6.625) 30.875,9.152 34.23,12.507 40.695,12.507 41.875,13.687 41.875,24.352 45.348,27.825 47.973,27.825 v1(48.748,28.6) 48.748,28.65 49.358,29.26 57.561,29.26 59.263,27.557 59.263,25.087 60.475,23.875 60.817,23.875 v1(60.825,23.867)
  Bottom Layer w0.127: J4.5@48.723,26.675 48.748,26.7 v1(48.748,28.6)
AUX_IO_IRQ: J3.54 J4.3 | length 38.5
  Top Copper w0.127: v1(20.773,16.451) 20.773,16.874 20.9,17.002 20.9,17.35 21.025,17.475 J3.54@21.415,17.475
  Layer 2 w0.127: v1(41.125,17.625) 41.125,24.202 45.148,28.225 v1(47.423,28.225)
  Bottom Layer w0.127: v1(20.773,16.451) 21.249,16.927 40.45,16.927 41.125,17.602 v1(41.125,17.625) ; v1(47.423,28.225) 47.448,28.2 47.448,26.68 J4.3@47.453,26.675
BNO08x_BOOTN_1V8: J3.42 R36.2 | length 9
  Top Copper w0.127: J3.42@21.415,19.875 22.125,19.875 23.475,18.525 23.475,15.893 v1(23.52,15.849)
  Bottom Layer w0.127: v1(23.52,15.849) 23.561,15.89 24.129,15.89 24.282,16.043 26.104,16.043 26.436,15.712 26.561,15.712 R36.2@26.848,15.425
BNO08x_BOOTN_1V8_1: R35.1 R36.1 TP26.1 U12.4 | length 4.5
  Bottom Layer w0.127: TP26.1@25.273,14 26.823,14 R36.1@26.848,14.025 27.134,13.739 27.599,13.739 27.86,13.477 R35.1@27.91,13.477 28.072,13.316 28.276,13.316 28.67,12.921 U12.4@29.266,12.921
BNO08x_CIPO_1V8: J1.64 J5.4 U7.1 U12.20 | length 32.7
  Top Copper w0.127: v1(55.536,19.247) 55.536,19.239 55.55,19.225 55.614,19.289 55.964,19.289 56.766,18.488 58.407,18.488 J1.64@58.42,18.475
  Layer 3 w0.127: v1(36.675,11.1) 36.675,11.176 36.775,11.276 v1(36.775,13.525)
  Bottom Layer w0.127: U12.20@33.828,11.109 v1@36.675,11.109 ; v1(36.675,11.1) 36.684,11.1 36.889,10.895 41.045,10.895 43.375,13.225 46.773,13.225 47.161,13.614 47.161,14.459 47.794,15.092 47.794,15.947 48.735,16.887 52.119,16.887 53.841,18.609 54.265,18.609 54.902,19.247 v1(55.536,19.247) ; v1(36.775,13.525) 36.775,13.5 37.225,13.05 U7.1@37.337,13.05
BNO08x_COPI_1V8: J1.62 J5.2 U7.14 U12.17 | length 34
  Top Copper w0.127: v1(55.565,19.838) 55.607,19.797 55.959,19.797 56.881,18.875 J1.62@58.42,18.875
  Layer 3 w0.127: v1(37.725,11.55) 38.1,11.925 v1(38.1,13.5)
  Bottom Layer w0.127: U12.17@33.891,12.921 33.444,12.921 33.323,12.8 33.323,11.75 33.448,11.625 34.269,11.625 34.344,11.55 v1(37.725,11.55) 37.796,11.55 38.104,11.242 41.069,11.242 44.552,14.725 45.891,14.725 46.208,15.042 46.208,15.595 47.828,17.215 51.763,17.215 53.624,19.076 54.326,19.076 54.75,19.5 55.05,19.5 55.388,19.838 v1(55.565,19.838) ; U7.14@38,12.888 38,13.324 38.1,13.424 v1(38.1,13.5)
BNO08x_CS_1V8: J1.60 J5.7 U7.12 U12.18 | length 32.5
  Top Copper w0.127: v1(50.018,20.5) 54.075,20.5 54.314,20.261 55.986,20.261 56.973,19.275 J1.60@58.42,19.275
  Bottom Layer w0.127: U12.18@33.891,12.421 39.05,12.421 ; U7.12@39,12.888 39,12.471 39.05,12.421 ; J5.7@50.018,18.675 v1(50.018,20.5) 49.964,20.553 49.818,20.553 49.804,20.568 46.148,20.568 45.523,19.943 45.523,16.975 40.969,12.421 39.05,12.421